# Altium PCB SPG300 Rev05.PcbDoc (part 1 of 8)
Units mm, origin at the board's own origin, x right, y up, seen from the top; angles counter-clockwise.
Board outline 176 x 152 mm, 6 copper layers (Top Layer, GND, Layer 1, Layer 2, PWR, Bottom Layer), stack 1.924 mm thick; 738 components, 393 nets, 2440 pads, 974 vias.
Unrouted connection lines stored in the file: 395.
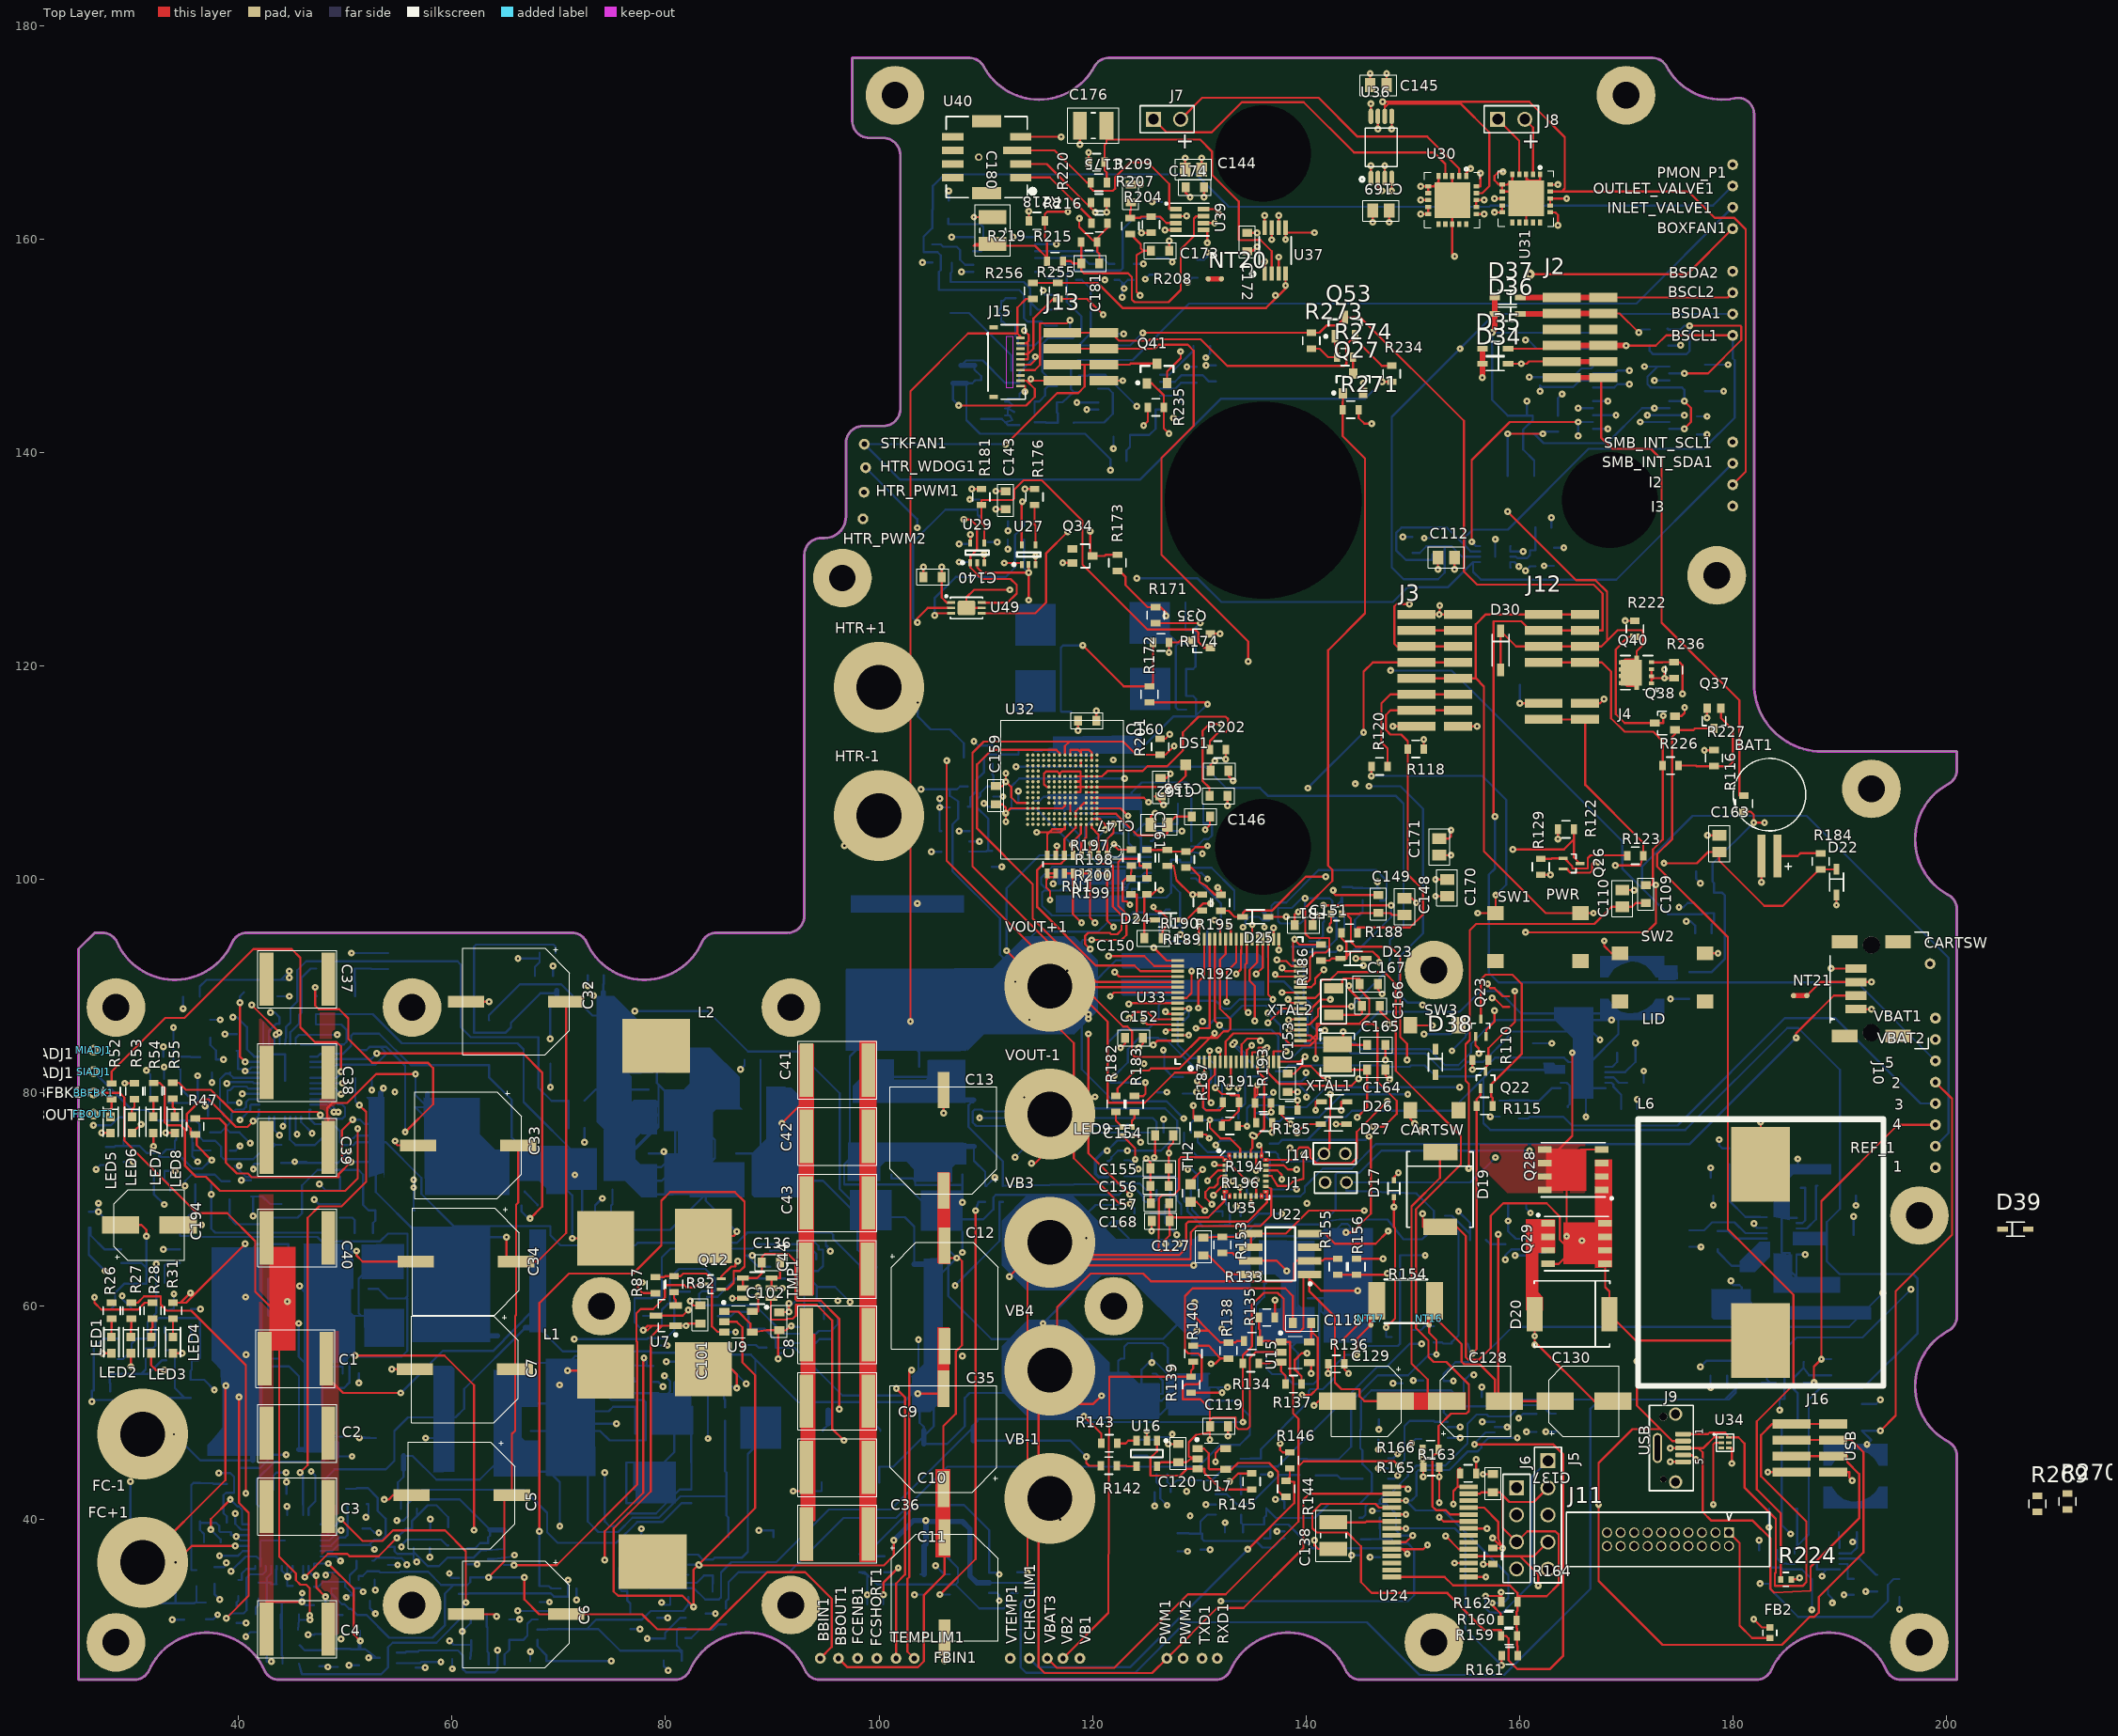
[diagram p0: Top Layer view]
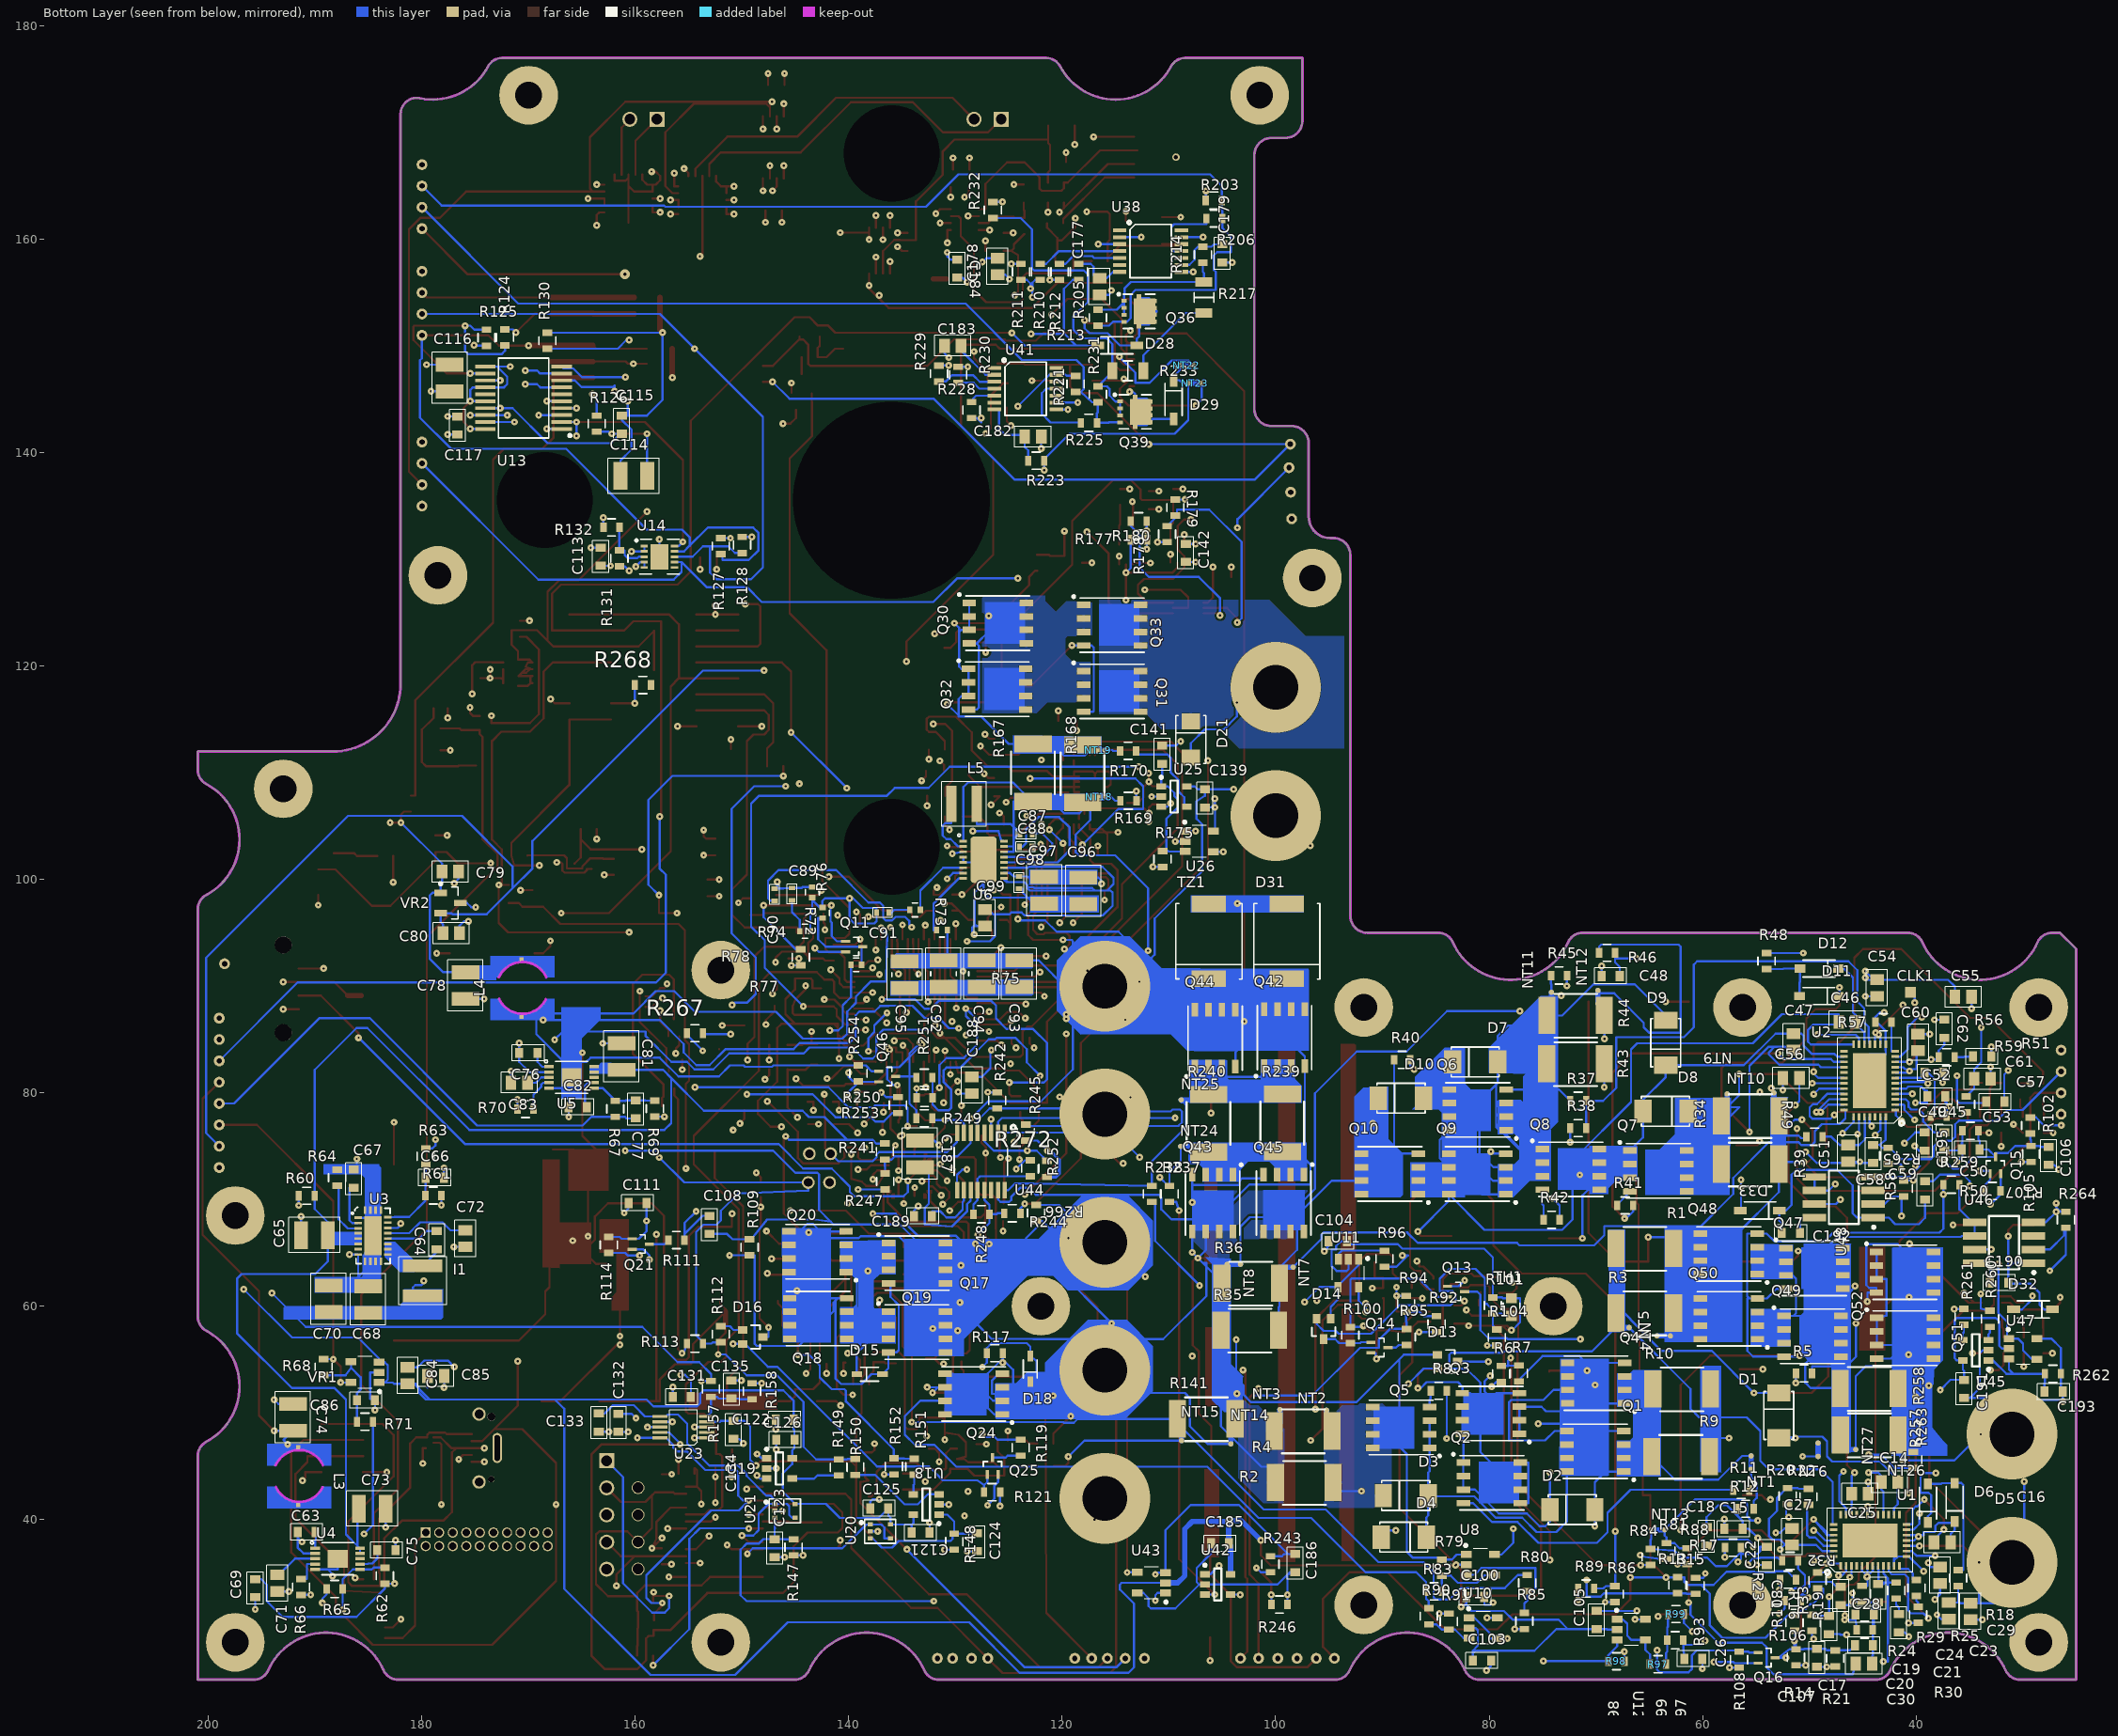
[diagram p1: Bottom Layer view, seen from below]
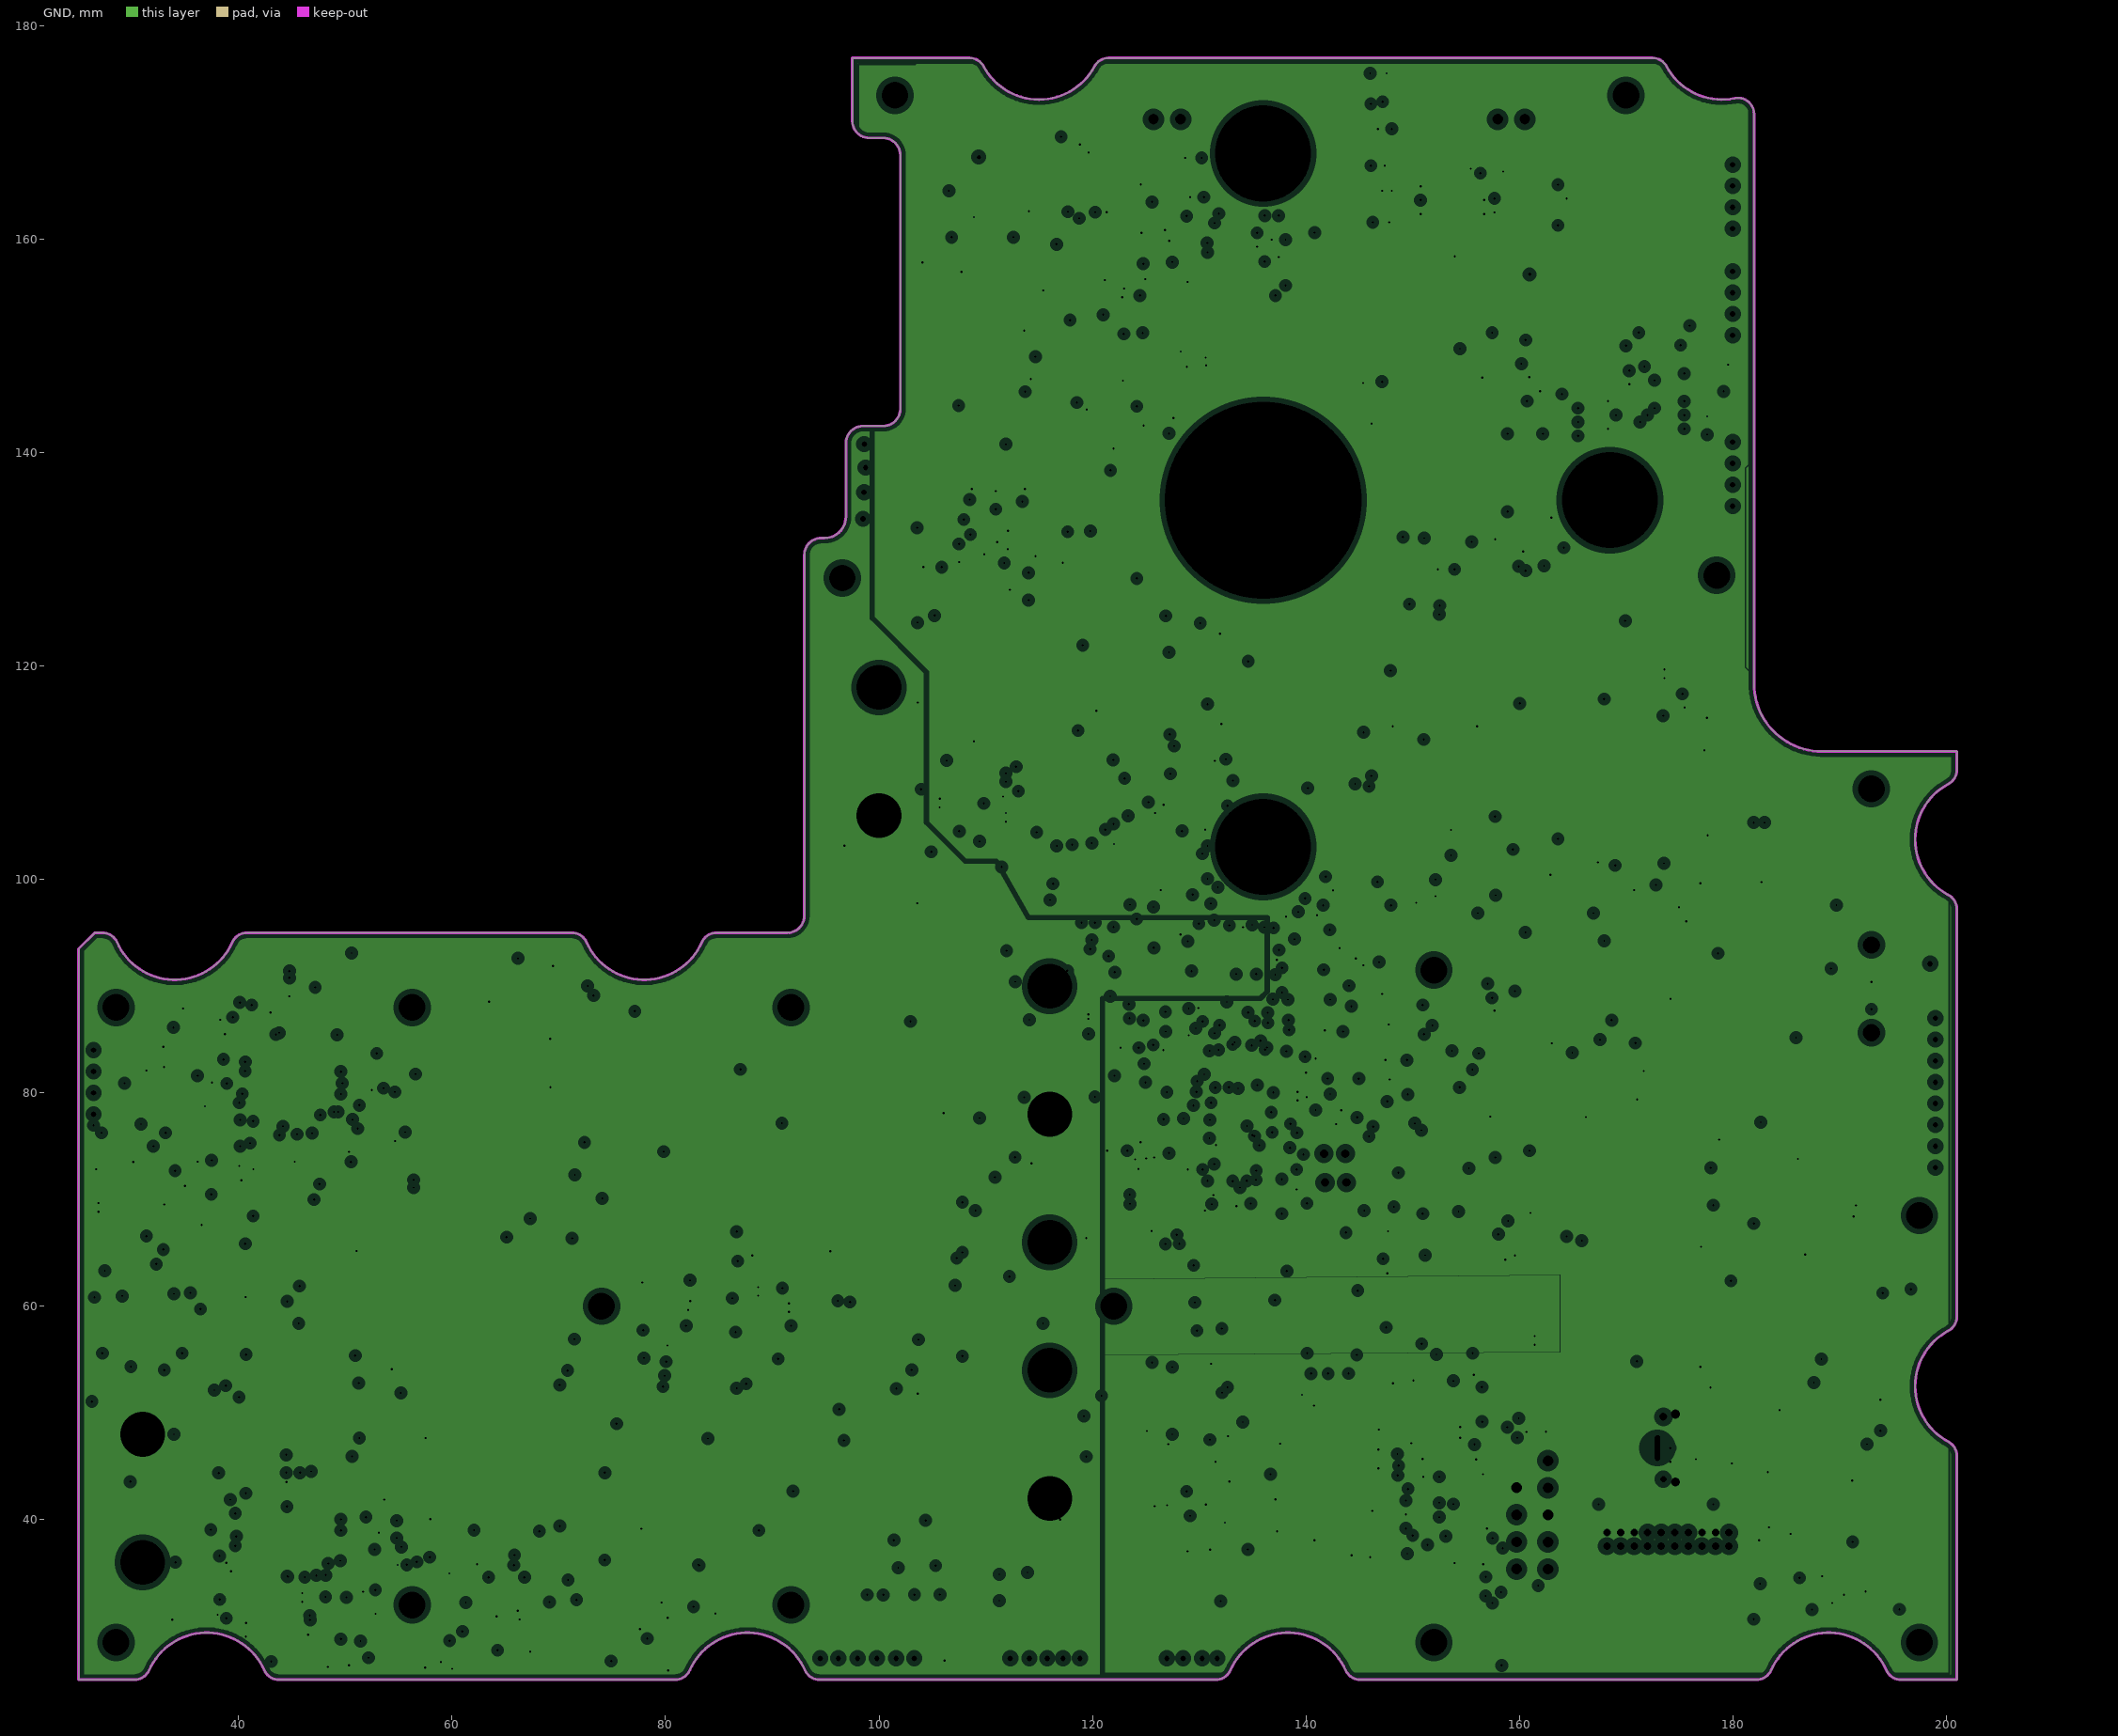
[diagram p2: GND, clearances drawn from the general rule]
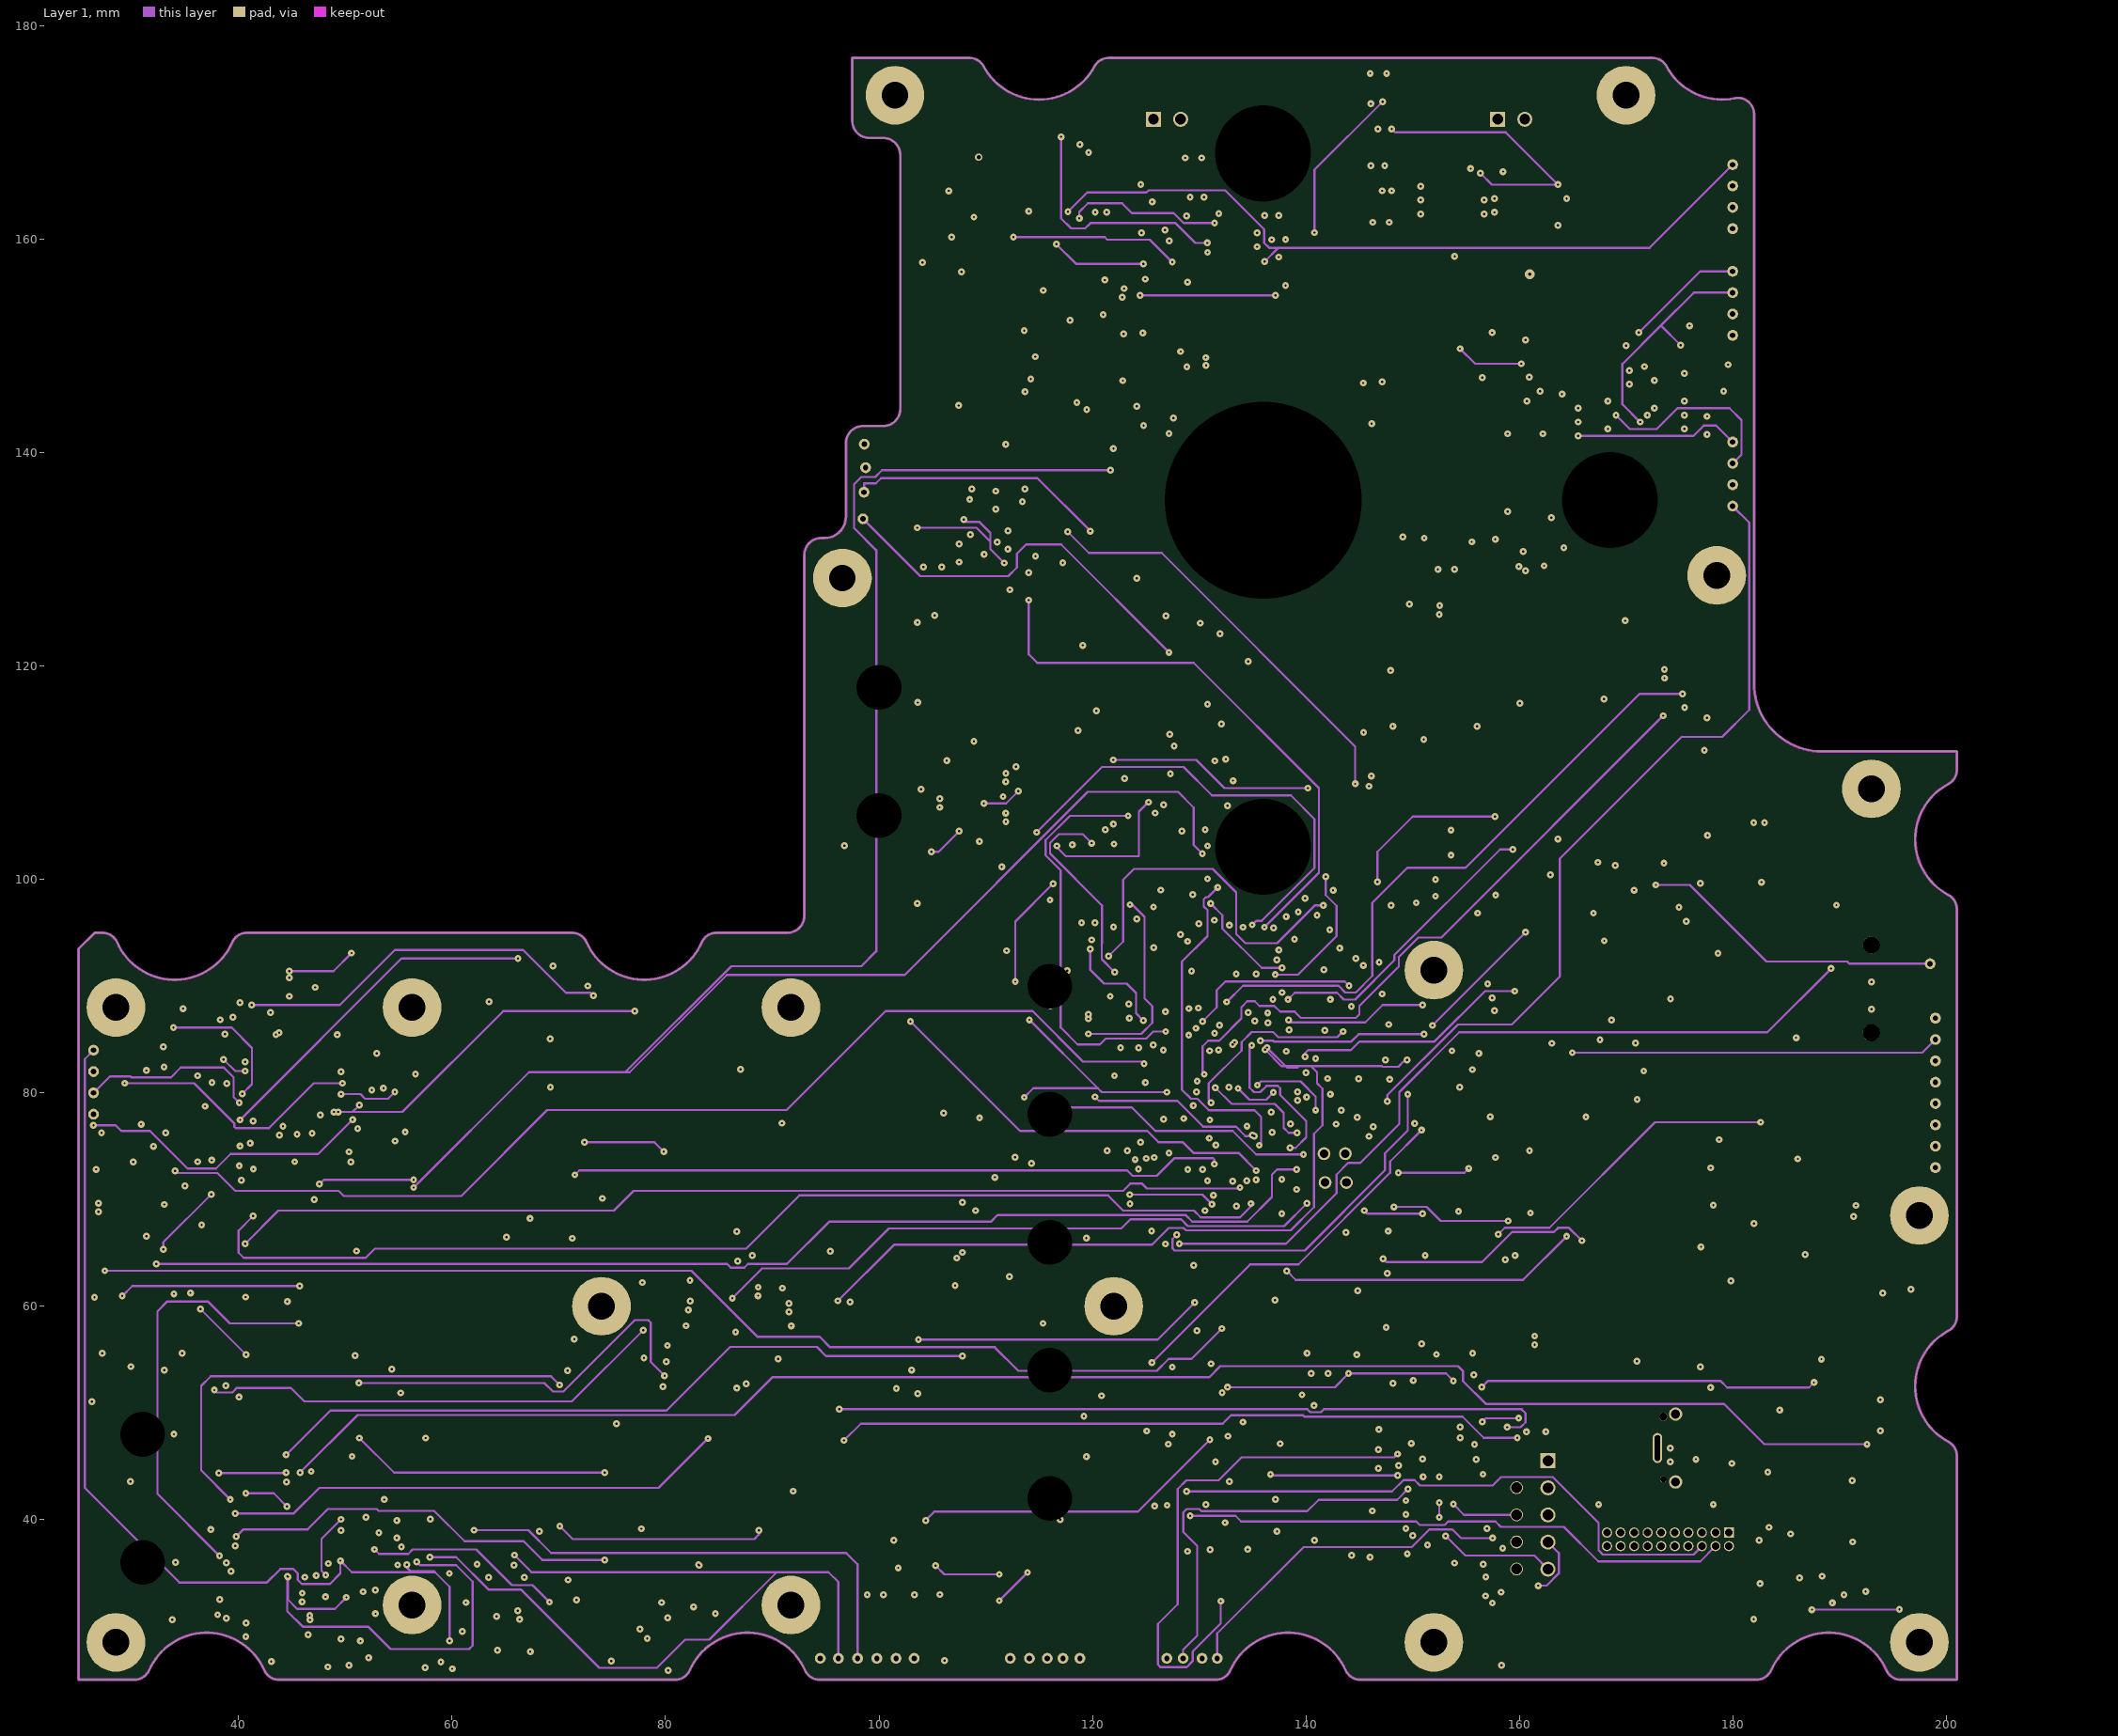
[diagram p3: Layer 1]